# Altium PCB NC_Menlo Micro SP8T RF Board_04212024.PcbDoc (part 1 of 3)
Units mil, origin at the board's own origin, x right, y up, seen from the top; angles counter-clockwise.
Board outline 3670.29 x 2461.63 mil, 6 copper layers (TOP, L02_GND, L03_SIG, L04_GND, L05_GND, BOTTOM), stack 47.2 mil thick; 45 components, 41 nets, 408 pads, 2496 vias.
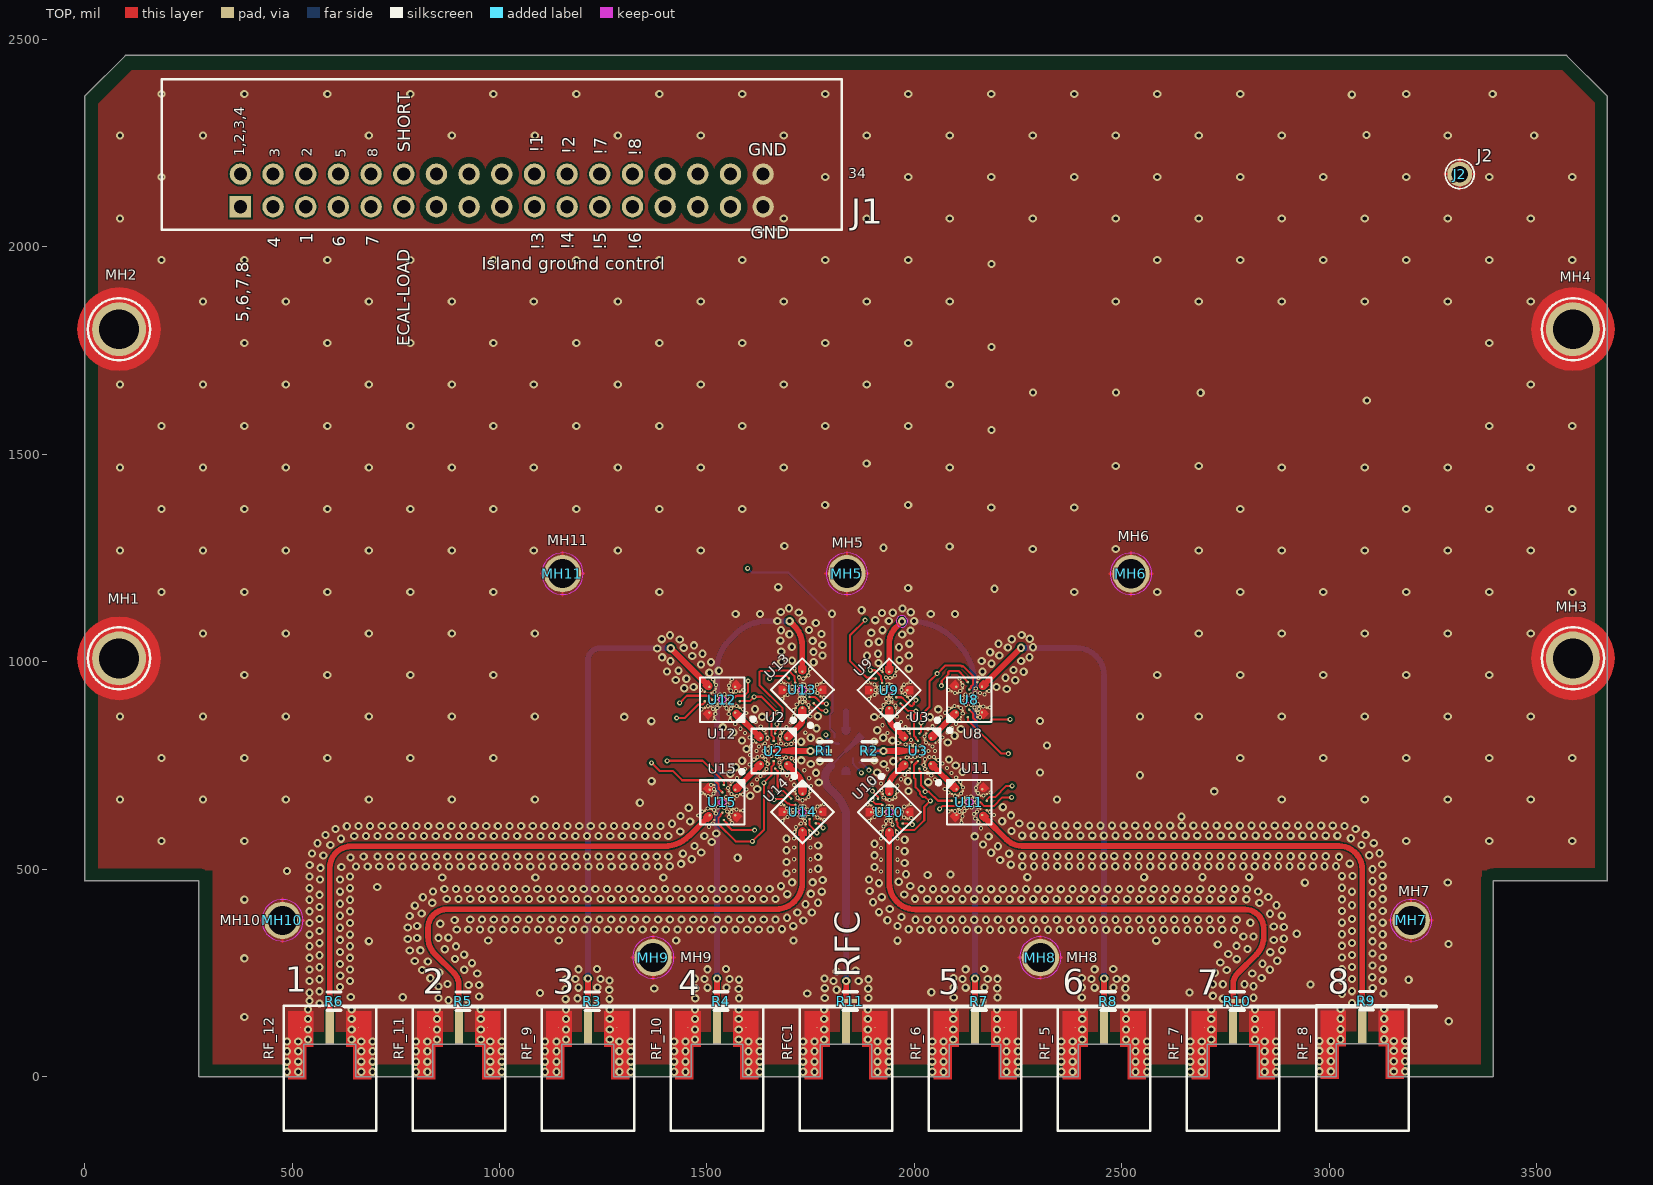
[diagram p0: TOP view]
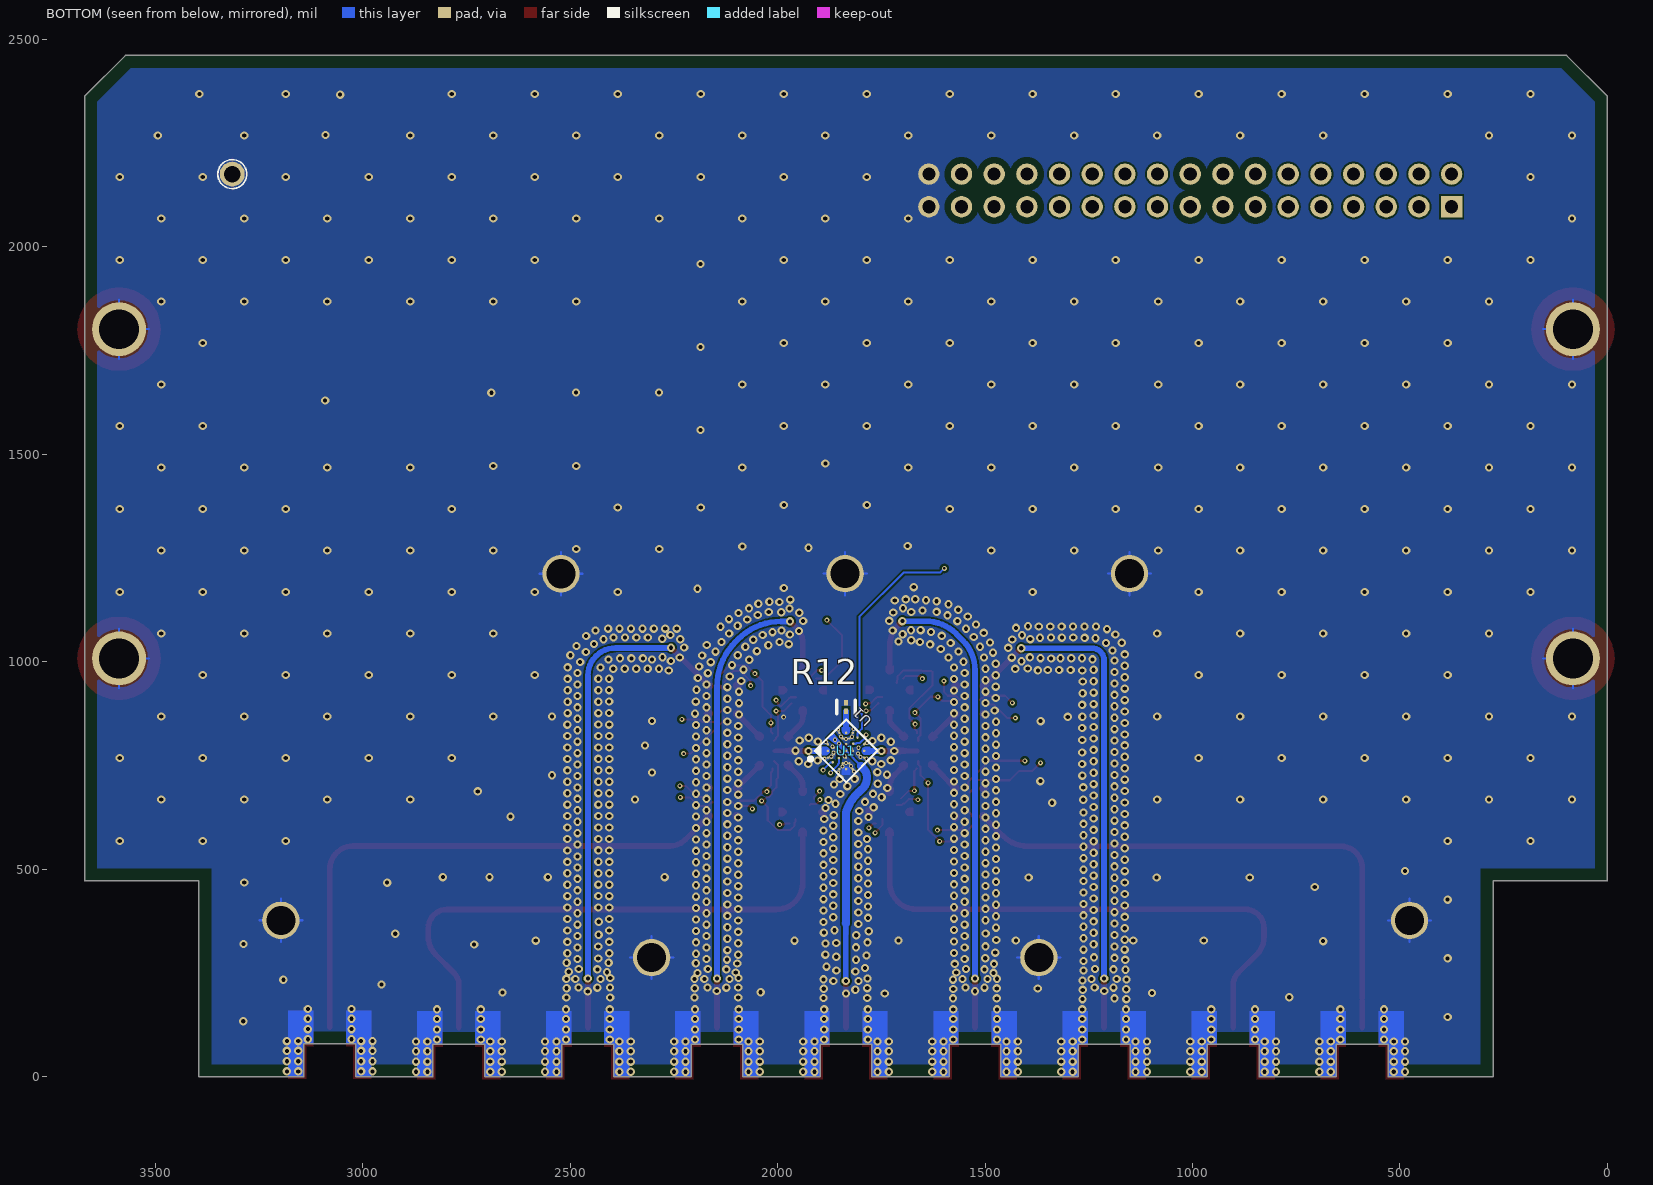
[diagram p1: BOTTOM view, seen from below]
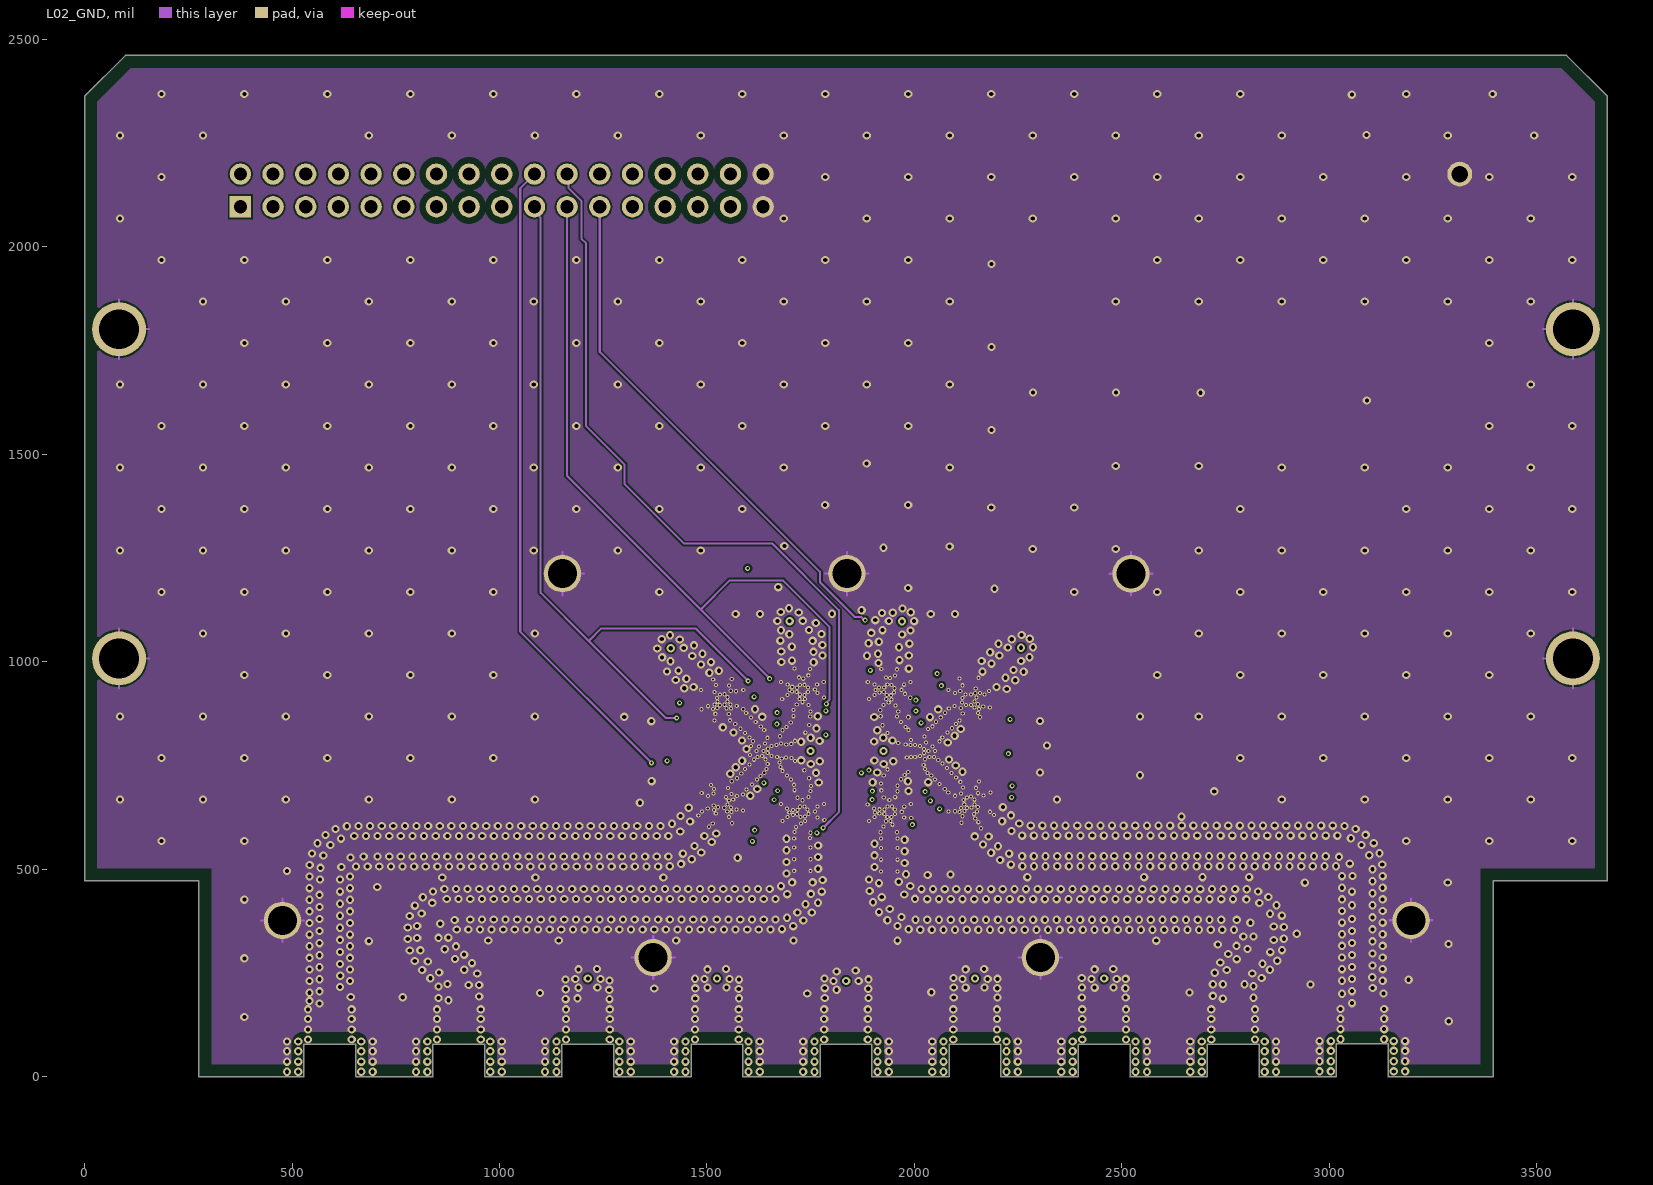
[diagram p2: L02_GND]
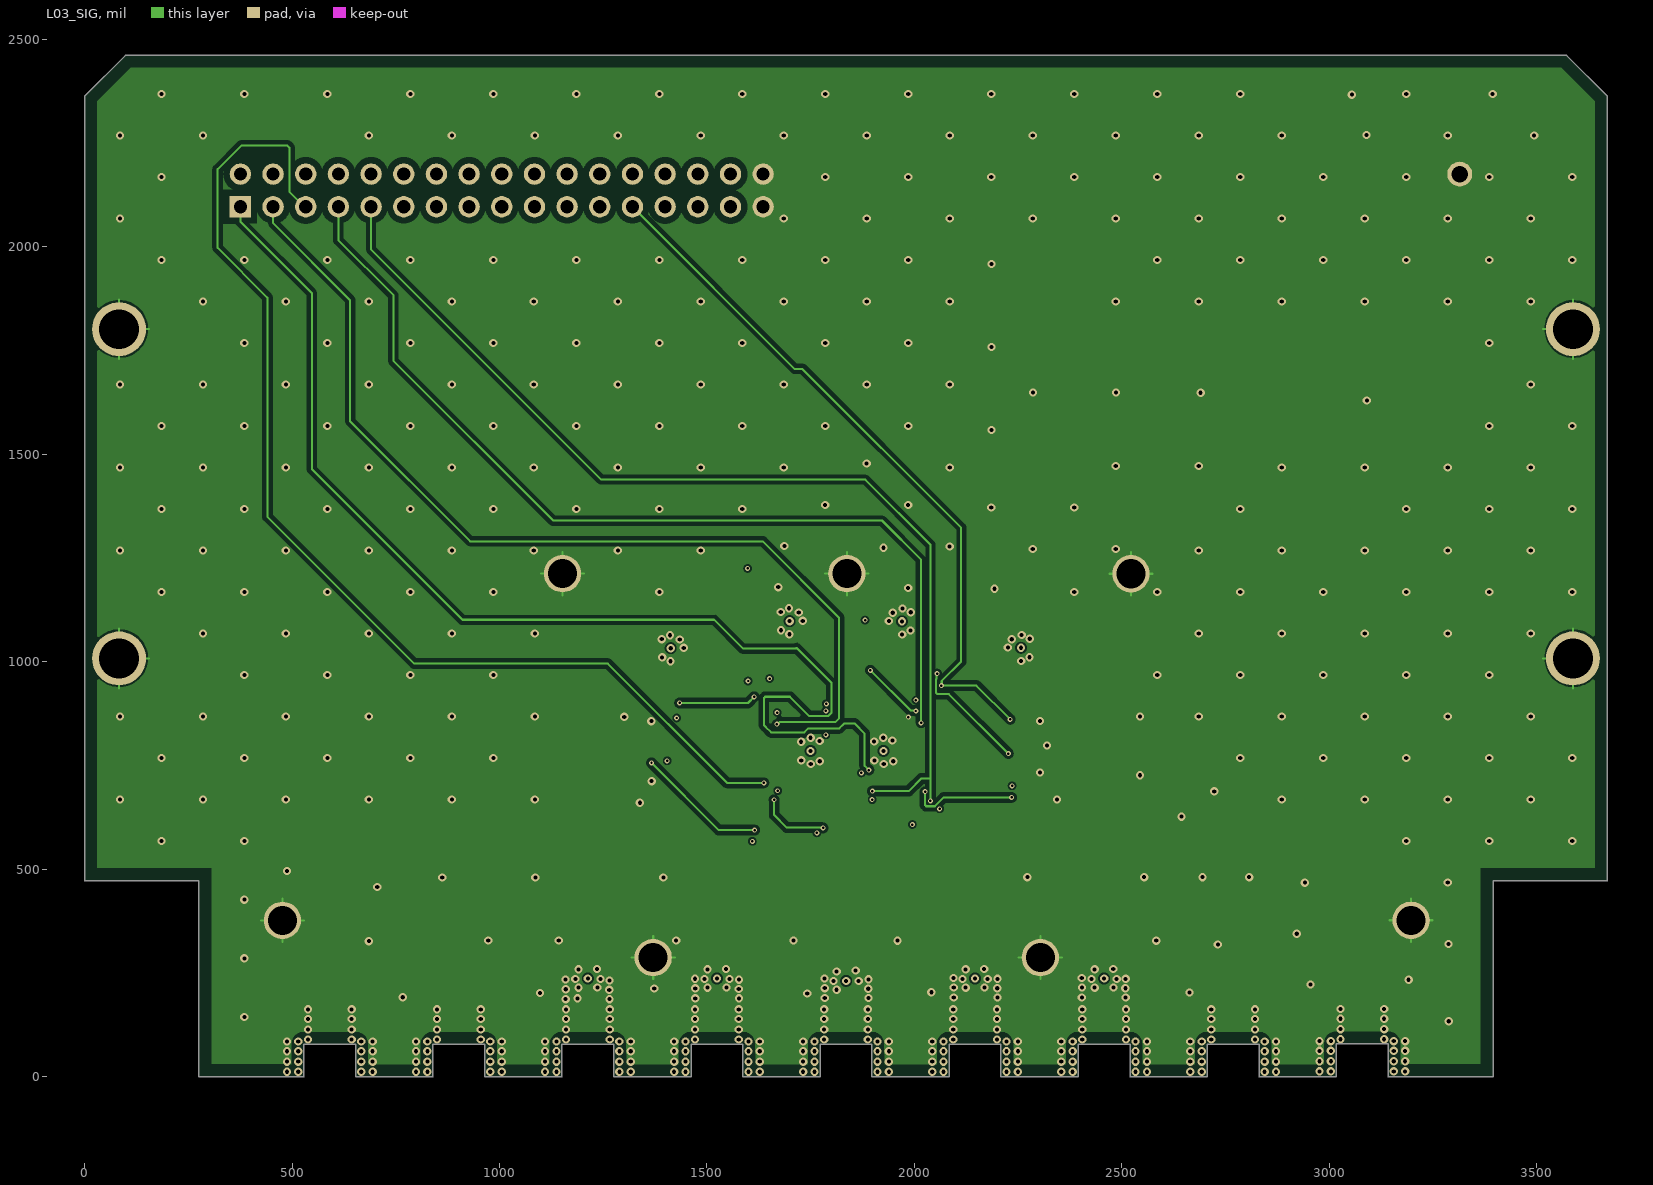
[diagram p3: L03_SIG]
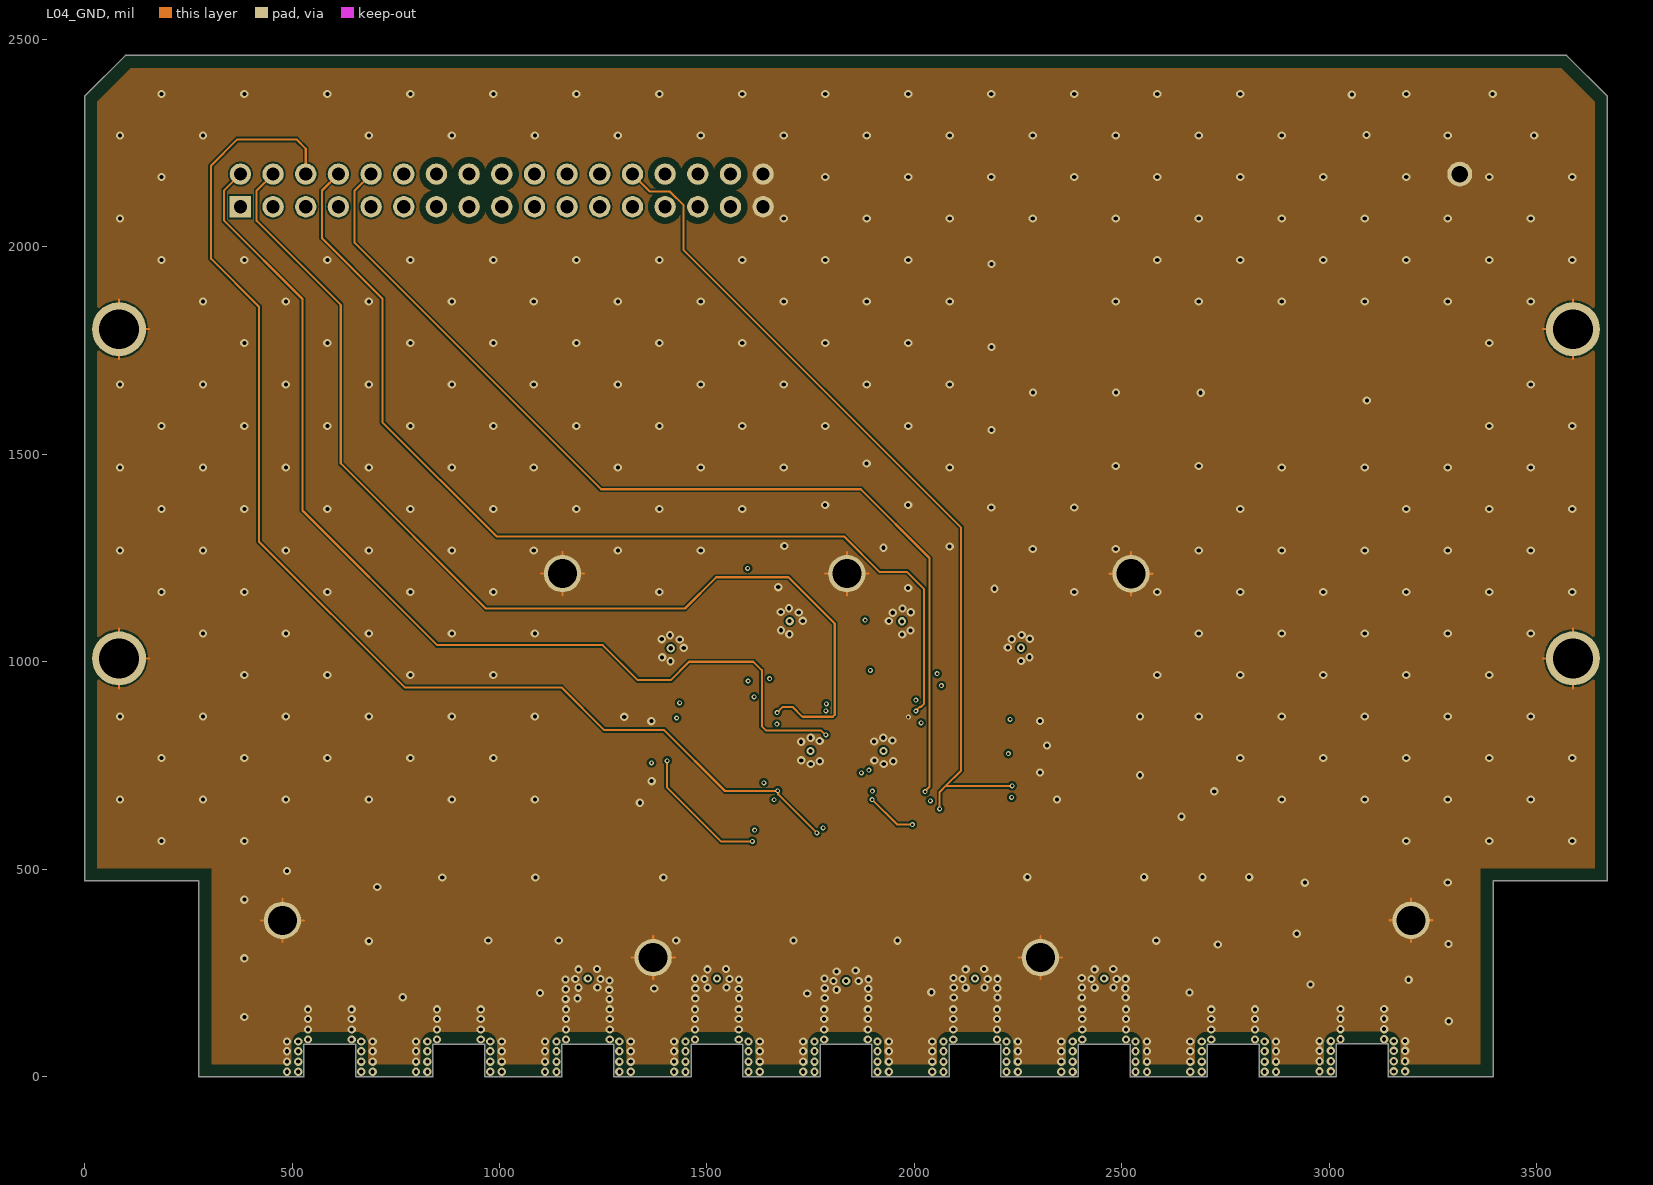
[diagram p4: L04_GND]
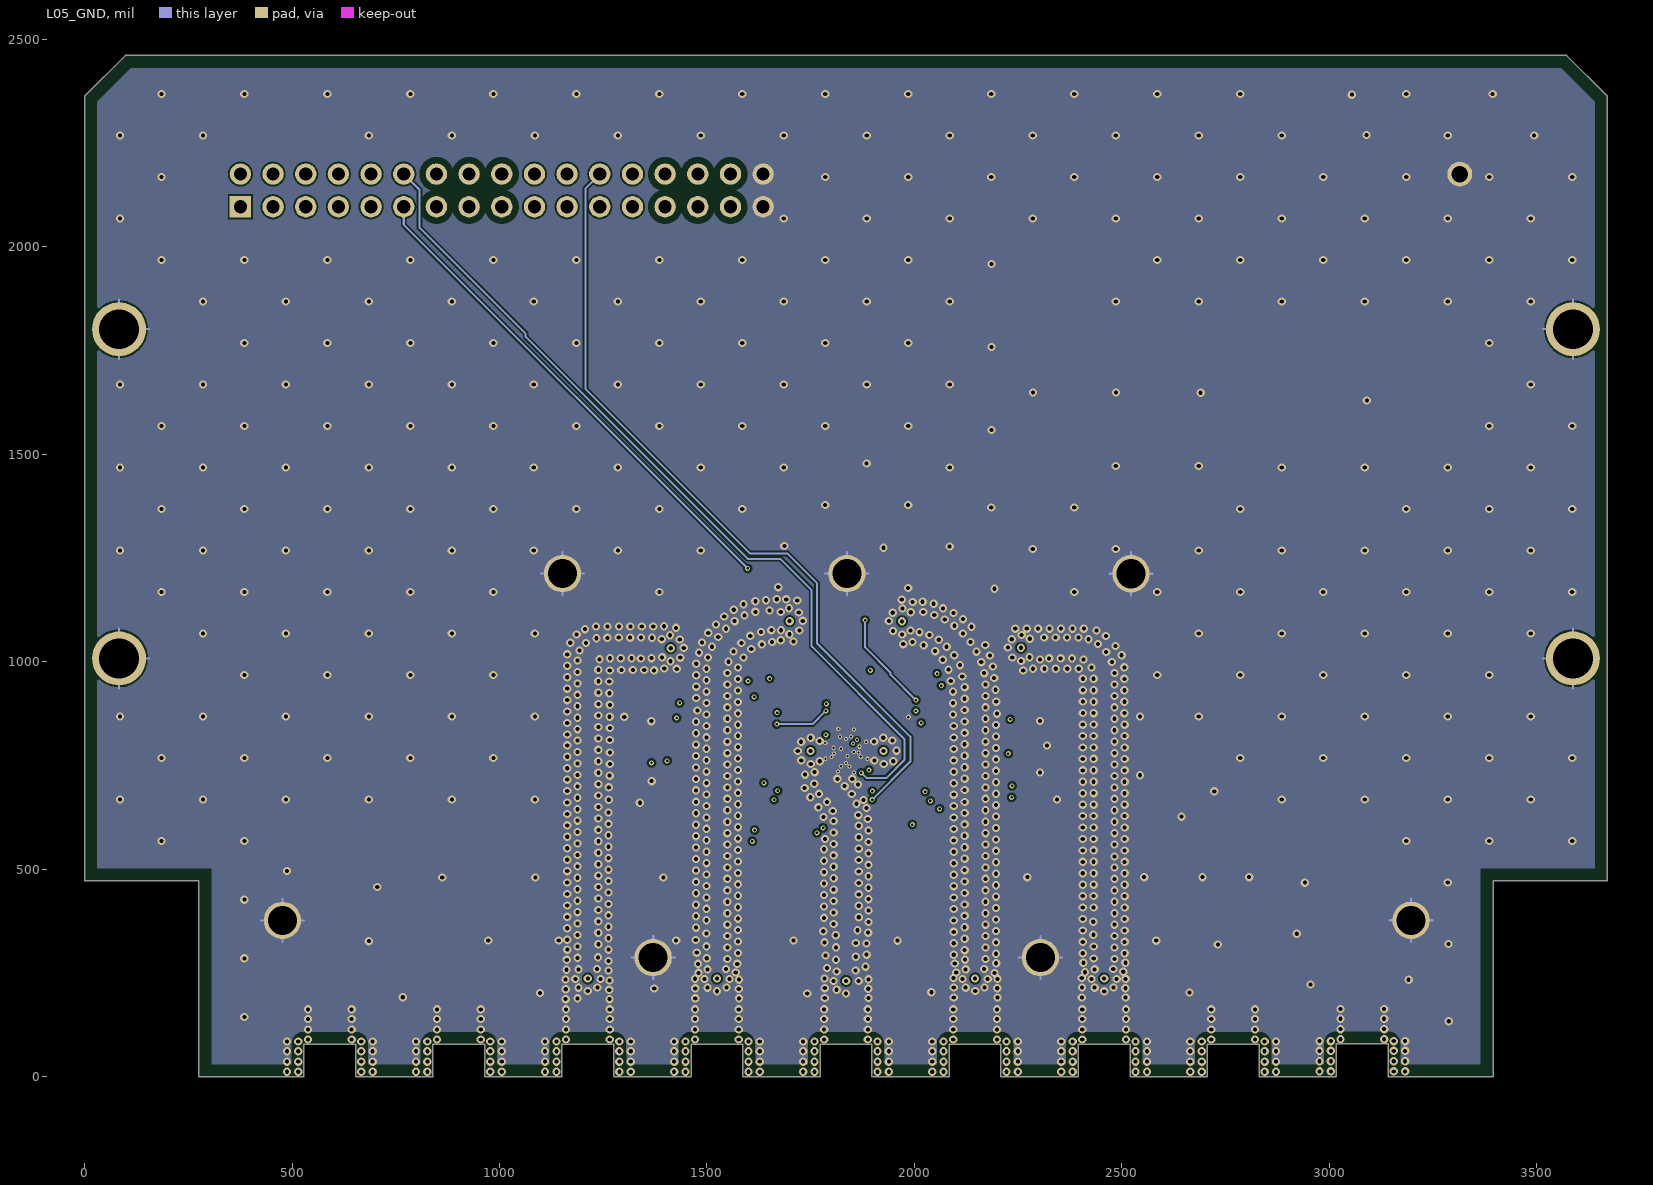
[diagram p5: L05_GND]
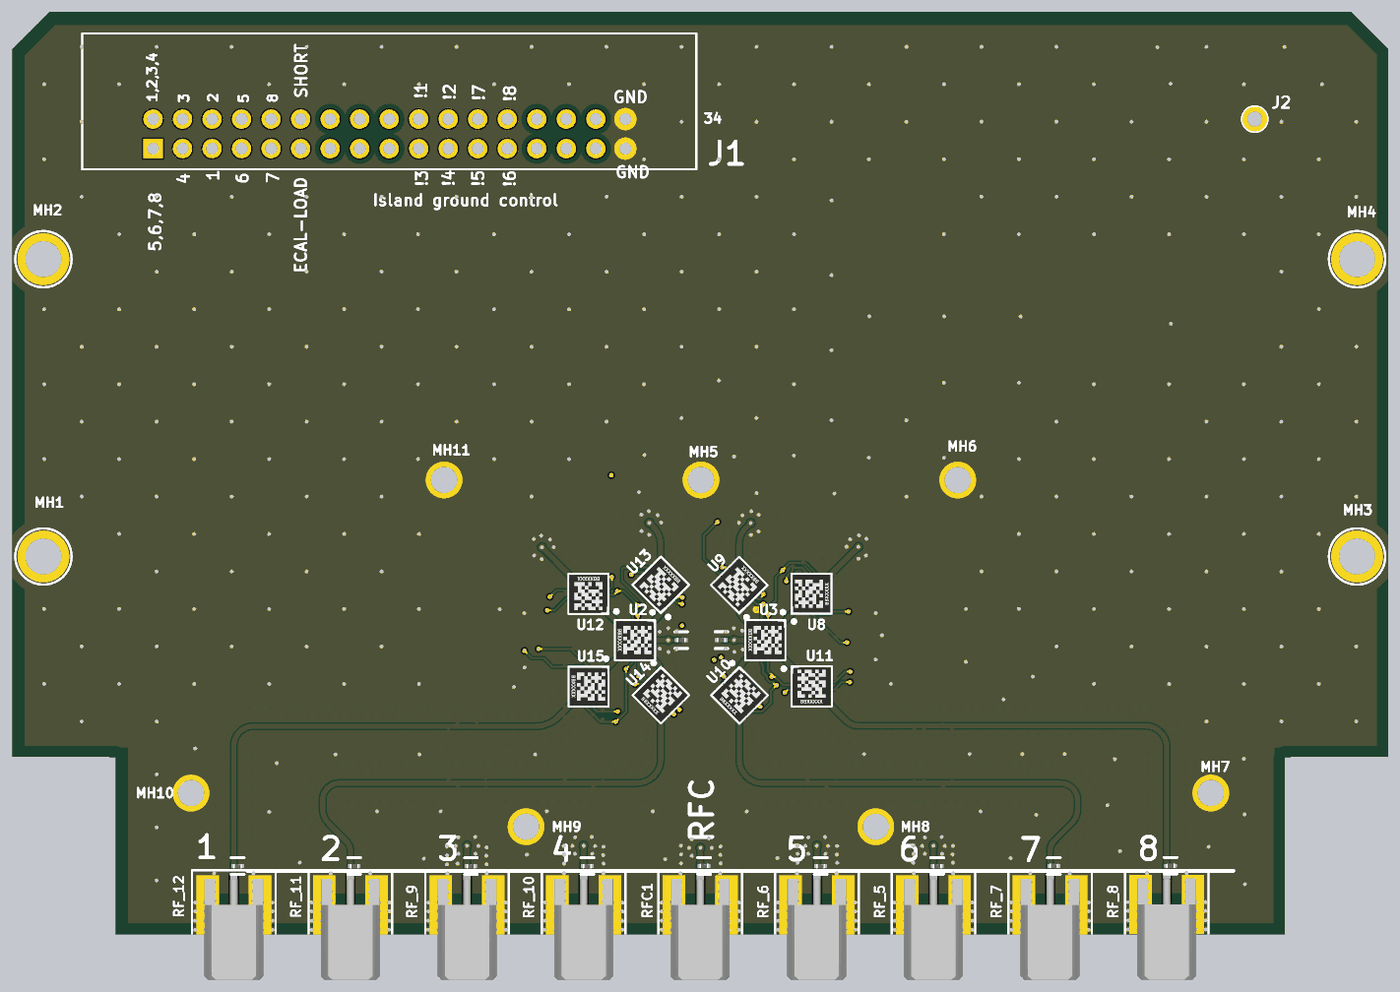
[diagram p8: 3D render of the assembled board from above, using the file's embedded part models]

## Layer stack, top to bottom
Top Solder: solder mask 0.4, Solder Resist, Dk 3.5
TOP: signal copper 1.2
Dielectric 1: core 8, FR-4, Dk 4.5
L02_GND: signal copper 1.2
Dielectric2: core 8, FR-4, Dk 4.5
L03_SIG: signal copper 1.2
Dielectric3: core 8, FR-4, Dk 4.5
L04_GND: signal copper 1.2
Dielectric4: core 8, FR-4, Dk 4.5
L05_GND: signal copper 1.2
Dielectric5: core 8, FR-4, Dk 4.5
BOTTOM: signal copper 1.2
Bottom Solder: solder mask 0.4, Solder Resist, Dk 3.5

## Board outline
0,472.44 0.5,471.94 275.59,471.94 275.59,0 276.09,-0.5 528.06,-0.5 528.56,0 528.56,78.24 653.54,78.24 653.54,0 654.04,-0.5 839.08,-0.5 839.58,0 839.58,78.24 964.57,78.24 964.57,0 965.07,-0.5 1150.11,-0.5 1150.61,0 1150.61,78.24 1275.59,78.24 1275.59,0 1276.09,-0.5 1461.13,-0.5 1461.63,0 1461.63,78.24 1586.61,78.24 1586.61,0 1587.11,-0.5 1772.15,-0.5 1772.65,0 1772.65,78.24 1897.64,78.24 1897.64,0 1898.14,-0.5 2083.18,-0.5 2083.68,0 2083.68,78.24 2208.66,78.24 2208.66,0 2209.16,-0.5 2394.2,-0.5 2394.7,0 2394.7,78.24 2519.69,78.24 2519.69,0 2520.19,-0.5 2705.22,-0.5 2705.72,0 2705.72,78.24 2830.71,78.24 2830.71,0 2831.21,-0.5 3016.25,-0.5 3016.75,0 3016.75,79.11 3141.73,79.11 3141.73,0 3142.23,-0.5 3394.2,-0.5 3394.7,0 3394.7,471.94 3669.79,471.94 3670.29,472.44 3670.29,2362.2 3670.14,2362.56 3571.73,2460.98 3571.37,2461.13 98.93,2461.13 98.58,2460.98 0.15,2362.55 0,2362.2

## Design rules (kind name [scope] priority, off if disabled: settings)
BoardOutlineClearance [(HasFootprint('PE44490') OR HasFootprint('MH'))] p1: gap=0 ignorepadtopadclearanceinfootprint=FALSE
BoardOutlineClearance BoardOutlineClearance_1 [All] p2: gap=0 ignorepadtopadclearanceinfootprint=FALSE except(30: Poly-OutlineEdge)
Clearance Clearance_Layer_3 [OnLayer('L03_SIG')] p1: gap=5 ignorepadtopadclearanceinfootprint=FALSE except(0: Arc-Hole Track-Hole SMDPad-Hole THPad-Hole Via-Hole Fill-Hole Poly-Hole Region-Hole Text-Hole; 3.07: Arc-SMDPad Track-SMDPad; 3.3: SMDPad-Region; 3.6: Via-Region; 3.94: Arc-Poly Arc-Region Track-Region Poly-Poly Poly-Region Region-Region; 3.96: Via-Poly; 4: Track-Via; 5.98: Arc-THPad Track-THPad; 7.99: Arc-Track Track-Track; 10: Arc-Arc Arc-Text Track-Poly Track-Text SMDPad-Text THPad-Text Via-Text Fill-Text Poly-Text Region-Text Text-Text; 15: THPad-Poly)
Clearance Clearance_RF [InNetClass('RF')] p2: gap=3.96 ignorepadtopadclearanceinfootprint=FALSE except(3.3: SMDPad-Region; 3.7: SMDPad-Via)
Clearance Clearance_Drivers [InNetClass('Drivers')] p3: gap=3.94 ignorepadtopadclearanceinfootprint=FALSE except(3: Track-SMDPad; 5: SMDPad-Poly Via-Poly)
Clearance Clearance_KO [IsKeepout] p4: gap=0 ignorepadtopadclearanceinfootprint=FALSE
Clearance [All] p5: gap=5 ignorepadtopadclearanceinfootprint=FALSE except(0: Arc-Hole Track-Hole SMDPad-Hole THPad-Hole Via-Hole Fill-Hole Poly-Hole Region-Hole Text-Hole; 3: SMDPad-Region; 3.07: Arc-SMDPad Track-SMDPad; 3.6: Via-Region; 3.94: Arc-Poly Arc-Region Track-Poly Track-Region Via-Poly Poly-Poly Poly-Region Region-Region; 4: Track-Via; 5.98: Arc-THPad Track-THPad; 7.99: Arc-Track Track-Track; 10: Arc-Arc Arc-Text Track-Text SMDPad-Text THPad-Text Via-Text Fill-Text Poly-Text Region-Text Text-Text; 15: THPad-Poly)
HoleSize [All] p1: absolutevalues=TRUE maxlimit=110 minlimit=1 maxpercent=80.000 minpercent=20.000
HoleToHoleClearance [InNet('GND') vs InNet('GND')] p1: gap=6 allowstackedmicrovias=TRUE
MinimumSolderMaskSliver [All] p1: minsoldermaskwidth=0
PlaneConnect [All] p1: planeconnectstyle=Direct reliefexpansion=20 reliefentries=4 reliefconductorwidth=10 reliefairgap=10
PolygonConnect [All] p1: connectstyle=Direct reliefconductorwidth=10 reliefentries=4 polygonreliefangle="90 Angle" airgapwidth=10
RoutingVias [All] p1: holewidth=10 width=20 viastyle="Through Hole" minholewidth=5 minwidth=10 maxholewidth=25 maxwidth=50
SilkToSilkClearance [All] p1: silktosilkclearance=2
SilkToSolderMaskClearance [(IsPad OR HasFootprint('MH'))] p1: minsilkscreentomaskgap=2 clearancetoexposedcopper=TRUE
SolderMaskExpansion [All] p1: expansion=4 istentingtop=FALSE
Width [All] p1: maxlimit=100 minlimit=5 preferedwidth=19.69 minimp=60.000000 maximp=60.000000 favimp=60.000000
24 further rules are at their usual default settings.

## Classes and differential pairs
net class RF: NetU2_4 NetU2_7 NetU2_11 NetU2_14 NetU3_4 NetU3_7 NetU3_11 NetU3_14 RF_Out_1 RF_Out_2 RF_Out_3 RF_OUT_4 RF_Out_5 RF_Out_6 RF_Out_7 RF_Out_8 RF_Stg1_Input
net class Drivers: DRIVER_L1_OUT1 DRIVER_L1_OUT2 DRIVER_L2_D1_OUT1 DRIVER_L2_D1_OUT2 DRIVER_L2_D1_OUT3 DRIVER_L2_D1_OUT4 DRIVER_L2_D2_OUT1 DRIVER_L2_D2_OUT2 DRIVER_L2_D2_OUT3 DRIVER_L2_D2_OUT4 NetJ1_11 NetJ1_12 NetJ1_19 NetJ1_20 NetJ1_21 NetJ1_22 NetJ1_23 NetJ1_24 NetJ1_25 NetJ1_26
component class 3_MM5130: R7 R8 R9 R10 RF_5 RF_6 RF_7 RF_8 U8 U9 U10 U11
component class 2_MM5130: R3 R4 R5 R6 RF_9 RF_10 RF_11 RF_12 U12 U13 U14 U15
component class 1_MM5130: J1 J2 MH1 MH2 MH3 MH4 MH5 MH6 MH7 MH8 MH9 MH10 MH11 R1 R2 R11 R12 RFC1 U1 U2 U3

## Components (designator, comment, footprint, x,y, rotation, side; value= is the part's Value field where it differs from the comment)
J1 "SBH21-NBPN-D17-RA-BK" SULLINS_SBH21-NBPN-D17-ST-B 1005.54,2135.59 r180 top
J2 "DNI, Header" TP_0035 3314.28,2174.96 r0 top
MH1 "DNI,MH hole" MH 83.18,1007.87 r0 top
MH2 "DNI,MH hole" MH 83.18,1801.18 r0 top
MH3 "DNI,MH hole" MH 3587.11,1007.87 r0 top
MH4 "DNI,MH hole" MH 3587.11,1801.18 r0 top
MH5 "DNI,MH hole" MH_55 1837.12,1212.03 r0 top
MH6 "DNI,MH hole" MH_55 2522,1211.78 r0 top
MH7 "DNI,MH hole" MH_55 3197.05,376.66 r0 top
MH8 "DNI,MH hole" MH_55 2303.47,286.73 r0 top
MH9 "DNI,MH hole" MH_55 1370.55,286.83 r0 top
MH10 "DNI,MH hole" MH_55 476.94,376.49 r0 top
MH11 "DNI,MH hole" MH_55 1151.87,1212.02 r0 top
R1 "TE connectivity CPF0201B56K2E1" FP-ERJ1GN-IPC_C 1784.47,784.63 r0 top value=56k
R2 "TE connectivity CPF0201B56K2E1" FP-ERJ1GN-IPC_C 1891.51,784.8 r0 top value=56k
R3 "TE connectivity CPF0201B56K2E1" FP-ERJ1GN-IPC_C 1223.32,181.69 r0 top value=56k
R4 "TE connectivity CPF0201B56K2E1" FP-ERJ1GN-IPC_C 1533.93,181.86 r0 top value=56k
R5 "TE connectivity CPF0201B56K2E1" FP-ERJ1GN-IPC_C 912.12,181.71 r0 top value=56k
R6 "TE connectivity CPF0201B56K2E1" FP-ERJ1GN-IPC_C 601.23,181.79 r0 top value=56k
R7 "TE connectivity CPF0201B56K2E1" FP-ERJ1GN-IPC_C 2156.51,181.85 r0 top value=56k
R8 "TE connectivity CPF0201B56K2E1" FP-ERJ1GN-IPC_C 2467.31,181.85 r0 top value=56k
R9 "TE connectivity CPF0201B56K2E1" FP-ERJ1GN-IPC_C 3089.46,182.54 r0 top value=56k
R10 "TE connectivity CPF0201B56K2E1" FP-ERJ1GN-IPC_C 2778.19,181.94 r0 top value=56k
R11 "TE connectivity CPF0201B56K2E1" FP-ERJ1GN-IPC_C 1845.18,181.94 r0 top value=56k
R12 "TNPW020150R0BEED" FP-ERJ1GN-IPC_C 1834.96,890.68 r90 bottom
RF_5 "PE44490" CONN-PE44490 2457.19,118.11 r180 top
RF_6 "PE44490" CONN-PE44490 2146.17,118.11 r180 top
RF_7 "PE44490" CONN-PE44490 2768.22,118.11 r180 top
RF_8 "PE44490" CONN-PE44490 3079.48,118.98 r180 top
RF_9 "PE44490" CONN-PE44490 1213.1,118.11 r180 top
RF_10 "PE44490" CONN-PE44490 1524.12,118.11 r180 top
RF_11 "PE44490" CONN-PE44490 902.07,118.11 r180 top
RF_12 "PE44490" CONN-PE44490 591.05,118.11 r180 top
RFC1 "PE44490" CONN-PE44490 1835.15,118.11 r180 top
U1 "MM5130" MM5130-NORM_PCB_NOFLOOD 1834.99,784.76 r135 bottom
U2 "MM5130" MM5130-NORM_PCB_NOFLOOD 1660.97,784.61 r270 top
U3 "MM5130" MM5130-NORM_PCB_NOFLOOD 2008.69,784.69 r270 top
U8 "MM5130" MM5130-SP_M_PCB_NOFLOOD 2132,908.54 r90 top
U9 "MM5130" MM5130-SP_M_PCB_NOFLOOD 1939.2,931.34 r135 top
U10 "MM5130" MM5130-SP_M_PCB_NOFLOOD 1939.67,637.4 r315 top
U11 "MM5130" MM5130-SP_M_PCB_NOFLOOD 2132.47,661.34 r0 top
U12 "MM5130" MM5130-SP_M_PCB_NOFLOOD 1536.88,908.15 r180 top
U13 "MM5130" MM5130-SP_M_PCB_NOFLOOD 1730,932.17 r135 top
U14 "MM5130" MM5130-SP_M_PCB_NOFLOOD 1730.34,637.72 r315 top
U15 "MM5130" MM5130-SP_M_PCB_NOFLOOD 1537.43,660.51 r270 top

## Footprints (in the part's own frame and the unit in brackets; to place one, negate y for a bottom-side part, rotate by r counter-clockwise, add the part's x,y. Pads: shape width x height; smd on the part's side, far side on the other; paste and mask are expansions set on the pad)
CONN-PE44490 [mil] "SMP, Mini Connector Plug, Male Pin 50 Ohms Board Edge, Cutout; Surface Mount Solder"
  rect 19.65x78.74 smd: 1(0,0)
  oct 1x1 smd: 2(-70,0) 3(70,0)
  TOP region: -100,-39.37 -40,-39.37 -40,39.37 -62.75,39.37 -62.75,118.11 -100,118.11
  TOP region: 40,-39.37 100,-39.37 100,118.11 63.23,118.11 63.23,39.38 40,39.38
  BOTTOM region: 40,-39.37 100,-39.37 100,118.11 63.23,118.11 63.23,39.38 40,39.38
  BOTTOM region: -100,-39.37 -40,-39.37 -40,39.37 -62.75,39.37 -62.75,118.11 -100,118.11
  silkscreen extent -111,-52 111,249, body extent -79,-30 79,240, height 70
FP-ERJ1GN-IPC_C [mil]
  rect 13.94x10.34 smd paste+0 mask+0: 1(-10.01,0) 2(10.01,0)
  silkscreen extent -17,-22 17,22, body extent -21,-10 21,10, height 10
MH [mil] "MH"
  round 130 hole 96: 1(0,0)
  TOP region: 100.48,0 98.55,19.6 92.83,38.45 83.55,55.83 71.05,71.05 55.83,83.55 38.45,92.83 19.6,98.55 0,100.48 -19.6,98.55 -38.45,92.83 -55.83,83.55 -71.05,71.05 -83.55,55.83 -92.83,38.45 -98.55,19.6 -100.48,0 -98.55,-19.6 -92.83,-38.45 -83.55,-55.83 -71.05,-71.05 -55.83,-83.55 -38.45,-92.83 -19.6,-98.55 0,-100.48 19.6,-98.55 38.45,-92.83 55.83,-83.55 71.05,-71.05 83.55,-55.83 92.83,-38.45 98.55,-19.6
  silkscreen extent -75,-75 75,75
MH_55 [mil] "MH_55"
  round 90 hole 70: 1(0,0)
MM5130-NORM_PCB_NOFLOOD [mm]
  round 0.15 smd mask+0.025: 1(-1.072,0.5) 2(-1.072,0.084) 3(-1.072,-0.5) 4(-0.786,-0.786) 5(-0.5,-1.072) 6(0.5,-1.072) 7(0.786,-0.786) 8(1.072,-0.5) 9(1.072,0.084) 10(1.072,0.5) 11(0.786,0.786) 12(0.5,1.072) 13(-0.5,1.072) 14(-0.786,0.786) 15(-0.681,0.396) 16(-0.615,0) 17(-0.681,-0.396) 18(-0.396,-0.681) 19(0.396,-0.681) 20(0.681,-0.396) 21(0.615,0) 22(0.681,0.396) 23(0.396,0.681) 24(-0.396,0.681) 25(-0.295,0.29) 26(-0.295,-0.29) 27(0.295,-0.29) 28(0.295,0.29) 29(0,0)
  silkscreen extent -1.99,-1.36 1.36,1.36, body extent -1.27,-1.27 1.27,1.27, height 0.98
MM5130-SP_M_PCB_NOFLOOD [mm]
  round 0.15 smd mask+0.025: 1(-1.072,0.5) 2(-1.072,0.084) 3(-1.072,-0.5) 4(-0.786,-0.786) 5(-0.5,-1.072) 6(0.5,-1.072) 7(0.786,-0.786) 8(1.072,-0.5) 9(1.072,0.084) 10(1.072,0.5) 11(0.786,0.786) 12(0.5,1.072) 13(-0.5,1.072) 14(-0.786,0.786) 15(-0.681,0.396) 16(-0.615,0) 17(-0.681,-0.396) 18(-0.396,-0.681) 19(0.396,-0.681) 20(0.681,-0.396) 21(0.615,0) 22(0.681,0.396) 23(0.396,0.681) 24(-0.396,0.681) 25(-0.295,0.29) 26(-0.295,-0.29) 27(0.295,-0.29) 28(0.295,0.29)
  silkscreen extent -1.99,-1.36 1.36,1.36, body extent -1.27,-1.27 1.27,1.27, height 0.98
SULLINS_SBH21-NBPN-D17-ST-B [mil] "SULLINS_SBH21-NBPN-D17-ST-B"
  rect 51.5x51.5 hole 31.5: 1(629.92,39.37)
  round 51.5 hole 31.5: 2(629.92,-39.37) 3(551.18,39.37) 4(551.18,-39.37) 5(472.44,39.37) 6(472.44,-39.37) 7(393.7,39.37) 8(393.7,-39.37) 9(314.96,39.37) 10(314.96,-39.37) 11(236.22,39.37) 12(236.22,-39.37) 13(157.48,39.37) 14(157.48,-39.37) 15(78.74,39.37) 16(78.74,-39.37) 17(0,39.37) 18(0,-39.37) 19(-78.74,39.37) 20(-78.74,-39.37) 21(-157.48,39.37) 22(-157.48,-39.37) 23(-236.22,39.37) 24(-236.22,-39.37) 25(-314.96,39.37) 26(-314.96,-39.37) 27(-393.7,39.37) 28(-393.7,-39.37) 29(-472.44,39.37) 30(-472.44,-39.37) 31(-551.18,39.37) 32(-551.18,-39.37) 33(-629.92,39.37) 34(-629.92,-39.37)
  silkscreen extent -819,-268 819,157, body extent -813,-262 813,87, height 150
TP_0035 [mil] "TP_0035"
  round 60 hole 40: 1(0,0)
  silkscreen extent -35,-35 35,35

## Part data
J1: library part SBH21-NBPN-D17-ST-BK, "Connector Header Through Hole 34 position 0.079 _2.00mm_", Package=None, Availability=Unavailable, OriginalSymbolOrigin=(-30000,90000), Price=None
J2: library part "HEADER 1"
MH1 MH2 MH3 MH4 MH5 MH6 MH7 MH8 MH9 MH10 MH11: library part "M HOLE1_0"
R1 R2 R3 R4 R5 R6 R7 R8 R9 R10 R11: "CPF 0201 56K2 0.1% 25PPM 1K RL", Mfgr Part No.=CPF0201B56K2E1, Package=None, Availability=Unavailable, Mfgr="TE connectivity", MP=ERJ1GN0R00C, Price=None
R12: library part CMP-1010-00416-3, "RES SMD 50 OHM 0.1% 1/20W 0201", Case Code (Imperial)=0201, Case Code (Metric)=0603, Max Operating Temperature=125°C, Max Power Dissipation=50mW, Min Operating Temperature=-55°C, Package Quantity=15000, Resistance=1kR, Resistance Tolerance=1%, Resistor Type="Thick Film", Temperature Coefficient=200ppm/°C, Voltage Rating=25V, Case/Package=0201, Contact Plating=Tin, Features="Automotive AEC-Q200", Height=0.01inch, Lead Free="Lead Free", Length=0.6mm, Mount="Surface Mount", Number of Pins=2, Number of Terminations=2, Packaging="Tape and Reel", Power Rating=50mW, Radiation Hardening=No, RoHS Compliant=Yes, Series=ERJ, Size Code=0201, Termination=SMD/SMT, Tolerance=1%, Voltage Rating (DC)=25V, Weight=6E-06oz, Width=0.012inch
RF_5 RF_6 RF_7 RF_8 RF_9 RF_10 RF_11 RF_12 RFC1: library part CONN-PE44490, "SMP, Mini Connector Plug, Male Pin 50 Ohms Board Edge, Cutout; Surface Mount Solder", Manufacturer=Pasternack, Manufacturer_Part_Number=PE44490, Type=SMP-Connector
U1 U2 U3 U8 U9 U10 U11 U12 U13 U14 U15: library part IC-MM5130, "High power SP4T MEMs switch"

## Via types
v1: diameter 20, hole 10, TOP to L02_GND, tented top, 791 vias
v2: diameter 20, hole 10, L05_GND to BOTTOM, tented top, 635 vias
v3: diameter 20, hole 10, TOP to BOTTOM, tented top, 619 vias
v4: diameter 10, hole 5, TOP to L02_GND, tented top, 386 vias
v5: diameter 12.01, hole 5.98, TOP to BOTTOM, 40 vias
v6: diameter 10, hole 5, L05_GND to BOTTOM, tented bottom, 25 vias

## Nets (pads, with @x,y where several pads share a name; then routed paths per layer and width w, separated by ;. In a path a pad name is that pad's centre, name@x,y a point inside that pad or via, vN(x,y) a via of type N, cw(c..) or ccw(c..) an arc to the next point about the centre after c; other vN are vias at no path point)
DRIVER_L1_OUT1: J1.1 U1.2 | length 2885.6
  L03_SIG w5: J1.1@375.62,2096.22 375.62,2060.63 548.14,1888.11 548.14,1463.62 910.89,1100.87 1517.53,1100.87 1586.4,1032 1714.7,1032 1715.75,1033.05 1800.13,948.67 1800.13,877.09 1791.86,868.81 1746.49,868.81 1699.91,915.39 1640.55,915.39 1637.62,912.46 1637.62,846.97 1642.19,842.4 1642.19,842.11 1654.8,829.5 1734.7,829.5 1744.4,839.2 1818.9,839.2 1830.5,850.8 1855.8,850.8 1880.1,826.5 1880.1,749.03 v5(1890.41,738.73)
  BOTTOM w5: U1.2@1867.17,757.26 1872.13,757.26 1890.41,738.98 v5(1890.41,738.73)
DRIVER_L1_OUT2: J1.2 U1.21 | length 2548.6
  L04_GND w5: J1.2@375.62,2174.96 336.6,2135.94 336.6,2062.64 525.3,1873.94 525.3,1364.33 849.75,1039.88 1249.12,1039.88 1333.6,955.4 1412.5,955.4 1456.8,999.7 1611.7,999.7 1632.25,979.15 1632.25,844.25 1642.1,834.4 1774.6,834.4 1785.5,823.5 v5(1786.6,823.5)
  BOTTOM w5: v5(1786.6,823.5) 1787.94,822.16 1787.94,818.12 1802.1,803.95 1809.4,803.95 1811.3,802.05 1817.7,802.05 U1.21@1817.87,801.88
DRIVER_L2_D1_OUT1: J1.3 U2.2 U13.2 U13.21 | length 2823.2
  TOP w5: U2.2@1664.28,826.81 1664.28,832.37 1669.8,837.89 1669.8,847.8 v5(1668.4,849.2) 1682.39,863.19 1682.39,887.51 1626.3,943.6 1626.3,974.87 1629.23,977.8 1651.23,977.8 1652.16,978.73 1696.81,978.73 1710.76,964.78 1710.76,957.48 1712.66,955.58 1712.66,949.18 U13.21@1712.83,949.01 ; U13.2@1757.45,899.71 1773.31,883.86 1774.58,883.86 1775.78,882.66 1785.26,882.66 v5(1786.6,881.32)
  L03_SIG w5: J1.3@454.36,2096.22 454.36,2056.77 639.87,1871.26 639.87,1579.53 929.6,1289.8 1634.49,1289.8 1818.02,1106.27 1818.02,862.63 1810.09,854.7 1676.2,854.7 1670.7,849.2 v5(1668.4,849.2)
  L05_GND w5: v5(1668.4,849.2) 1754.48,849.2 v5(1786.6,881.32)
DRIVER_L2_D1_OUT2: J1.4 U2.16 U12.2 U12.21 | length 3049.5
  TOP w5: v5(1434.02,900.32) 1451.53,917.83 1500.06,917.83 1505.22,912.67 1507.9,912.67 1512.42,908.15 U12.21@1512.67,908.15 ; U12.2@1579.08,904.84 1603.35,904.84 v5(1613.83,915.32) 1631.38,915.32 v5(1669.4,877.3) 1655.34,863.24 1655.34,823.11 1660.97,817.48 U2.16@1660.97,808.82
  L03_SIG w5: v5(1434.02,900.32) 1598.83,900.32 v5(1613.83,915.32)
  L04_GND w5: J1.4@454.36,2174.96 414.91,2135.51 414.91,2062.44 617.43,1859.92 617.43,1477.86 967.29,1128 1447.1,1128 1522.5,1203.4 1696.51,1203.4 1808.1,1091.81 1808.1,871.8 1803.4,867.1 1730,867.1 1706.16,890.94 1683.04,890.94 v5(1669.4,877.3)
DRIVER_L2_D1_OUT3: J1.5 U2.21 U15.2 U15.21 | length 3543.6
  TOP w5: v5(1404.15,761.08) 1489.8,761.08 1540.74,710.15 U15.2@1540.74,702.71 ; U15.21@1537.43,636.3 1537.43,636.05 1532.91,631.53 1532.91,628.85 1527.75,623.69 1527.75,608.39 1569.26,566.88 v5(1609.49,566.88) 1637.9,595.29 1637.9,707.17 v5(1637.2,707.87) 1655.34,726.01 1655.34,746.11 1660.97,751.74 U2.21@1660.97,760.4
  L03_SIG w5: J1.5@533.1,2096.22 529.95,2096.22 493.81,2132.36 493.81,2238.69 488.8,2243.7 378.02,2243.7 320.89,2186.57 320.89,1997.17 440.66,1877.4 440.66,1348.98 794.56,995.08 1261.25,995.08 1548.45,707.87 v5(1637.2,707.87)
  L04_GND w5: v5(1404.15,761.08) 1404.15,696.46 1533.73,566.88 v5(1609.49,566.88)
DRIVER_L2_D1_OUT4: J1.6 U2.9 U14.2 U14.21 | length 3055.6
  TOP w5: U2.9@1664.28,742.41 1670.58,736.11 v5(1670.58,688.83) 1670.75,688.65 1684.08,688.65 U14.2@1702.84,669.9 ; U14.21@1747.46,620.6 1747.47,605.84 1764.98,588.32 v5(1764.98,587.29)
  L04_GND w5: J1.6@533.1,2174.96 533.1,2236.29 510.79,2258.6 368.07,2258.6 305.15,2195.68 305.15,1970.94 420.58,1855.51 420.58,1289.21 771.92,937.87 1149.44,937.87 1251.72,835.59 1396.09,835.59 1543.49,688.19 1669.94,688.19 v5(1670.58,688.83) 1671.92,687.49 1671.92,680.35 v5(1764.98,587.29)
DRIVER_L2_D2_OUT1: J1.7 U3.2 U8.2 U8.21 | length 3014.3
  TOP w5: U3.2@2012,826.89 2016.25,831.14 2016.25,847.64 v5(2016.26,852.2) 2016.26,870.99 2036.5,891.23 2036.5,952.37 2054.7,970.57 v5(2054.7,971.09) 2074.32,990.71 2111.62,990.71 2113.39,988.94 2117.59,988.94 2141.68,964.85 2141.68,945.36 2136.52,940.2 2136.52,937.52 2132,933 U8.21@2132,932.75 ; U8.2@2128.69,866.34 2128.87,866.16 2128.87,858.73 2209.11,778.49 v5(2226.42,778.49)
  L03_SIG w5: J1.7@611.84,2096.22 611.84,2015.75 744.99,1882.6 744.99,1724.21 1129.2,1340 1921.84,1340 2016.26,1245.58 v5@2016.26,852.67 ; v5(2054.7,971.09) 2053.36,969.75 2053.36,959.3 2052.04,957.98 2052.04,924.73 2054.97,921.8 2083.1,921.8 v5(2226.42,778.49)
DRIVER_L2_D2_OUT2: J1.8 U3.16 U9.2 U9.21 | length 2773.5
  TOP w5: v5(1893.9,979.19) 1905.05,979.19 1920.01,964.23 1920.01,956.98 1921.91,955.08 1921.91,948.63 U9.21@1922.08,948.46 ; U9.2@1966.7,899.16 1985.29,880.58 2002.85,880.58 v5(2003.27,881) ; v5@2005.58,880.58 2006,881 2006,879.1 1999.01,872.11 1999.01,821.51 2003.77,816.75 2003.77,814.07 2008.69,809.15 U3.16@2008.69,808.9
  L03_SIG w5: v5(1893.9,979.19) 1990.75,882.34 2001.93,882.34 v5(2003.27,881)
  L04_GND w5: J1.8@611.84,2174.96 572.23,2135.35 572.23,2020.79 717.82,1875.2 717.82,1577.2 993.37,1301.65 1830.56,1301.65 1915.71,1216.5 1981.56,1216.5 2023.51,1174.55 2023.51,898.51 2015.95,890.95 2013.22,890.95 v5(2003.27,881)
DRIVER_L2_D2_OUT3: J1.9 U3.21 U10.2 U10.21 | length 2811.3
  TOP w5: v5(1898.58,687.84) 1911.99,674.43 1911.99,669.75 U10.2@1912.17,669.58 ; U10.21@1956.79,620.28 1956.96,620.11 1956.96,613.71 1958.86,611.81 1958.86,604.51 1968.95,594.42 2000.48,594.42 2023.66,617.6 2023.66,649.56 v5(2038.56,664.46) 2037.22,665.81 2034.22,665.81 2026.52,673.51 2020.68,673.51 2013.07,681.12 2013.07,686.96 2002.9,697.13 2002.9,716.53 1999.01,720.43 1999.01,750.79 U3.21@2008.69,760.48
  L03_SIG w5: J1.9@690.58,2096.22 690.58,1992.92 1244.92,1438.58 1881.6,1438.58 2039.05,1281.13 2039.05,691.88 ; v5(1898.58,687.84) 1986.1,687.84 2017.01,718.75 2038.55,718.75 ; v5(2038.56,664.46) 2038.56,680.63 2039.05,681.12 2039.05,691.38
  L05_GND w5: v5(1898.58,687.84) v5@1900.39,687.84
DRIVER_L2_D2_OUT4: J1.10 U3.9 U11.2 U11.21 | length 2926.8
  TOP w5: U3.9@2012,742.49 2012,736.64 2015.89,732.75 2015.89,702.51 v5@2028.98,689.42 ; v5(2026.06,686.5) v5@2028.98,689.42 ; U11.2@2090.27,664.65 2056.75,664.65 2034.9,686.5 2031.9,686.5 v5@2028.98,689.42 ; U11.21@2156.68,661.34 2156.93,661.34 2157.66,660.61 2159.61,660.61 2168.38,651.84 2191.28,651.84 2212.13,672.69 v5(2234.3,672.69)
  L03_SIG w5: v5(2026.06,686.5) 2025.51,685.95 2025.51,654.34 2028.44,651.41 2049.47,651.41 2070.76,672.69 v5(2234.3,672.69)
  L04_GND w5: J1.10@690.58,2174.96 651.01,2135.39 651.01,2009.29 1244.87,1415.43 1870.69,1415.43 2036.5,1249.62 2036.5,698.69 2026.06,688.25 v5(2026.06,686.5)